# KiCad board IotFan.kicad_pcb (continued)
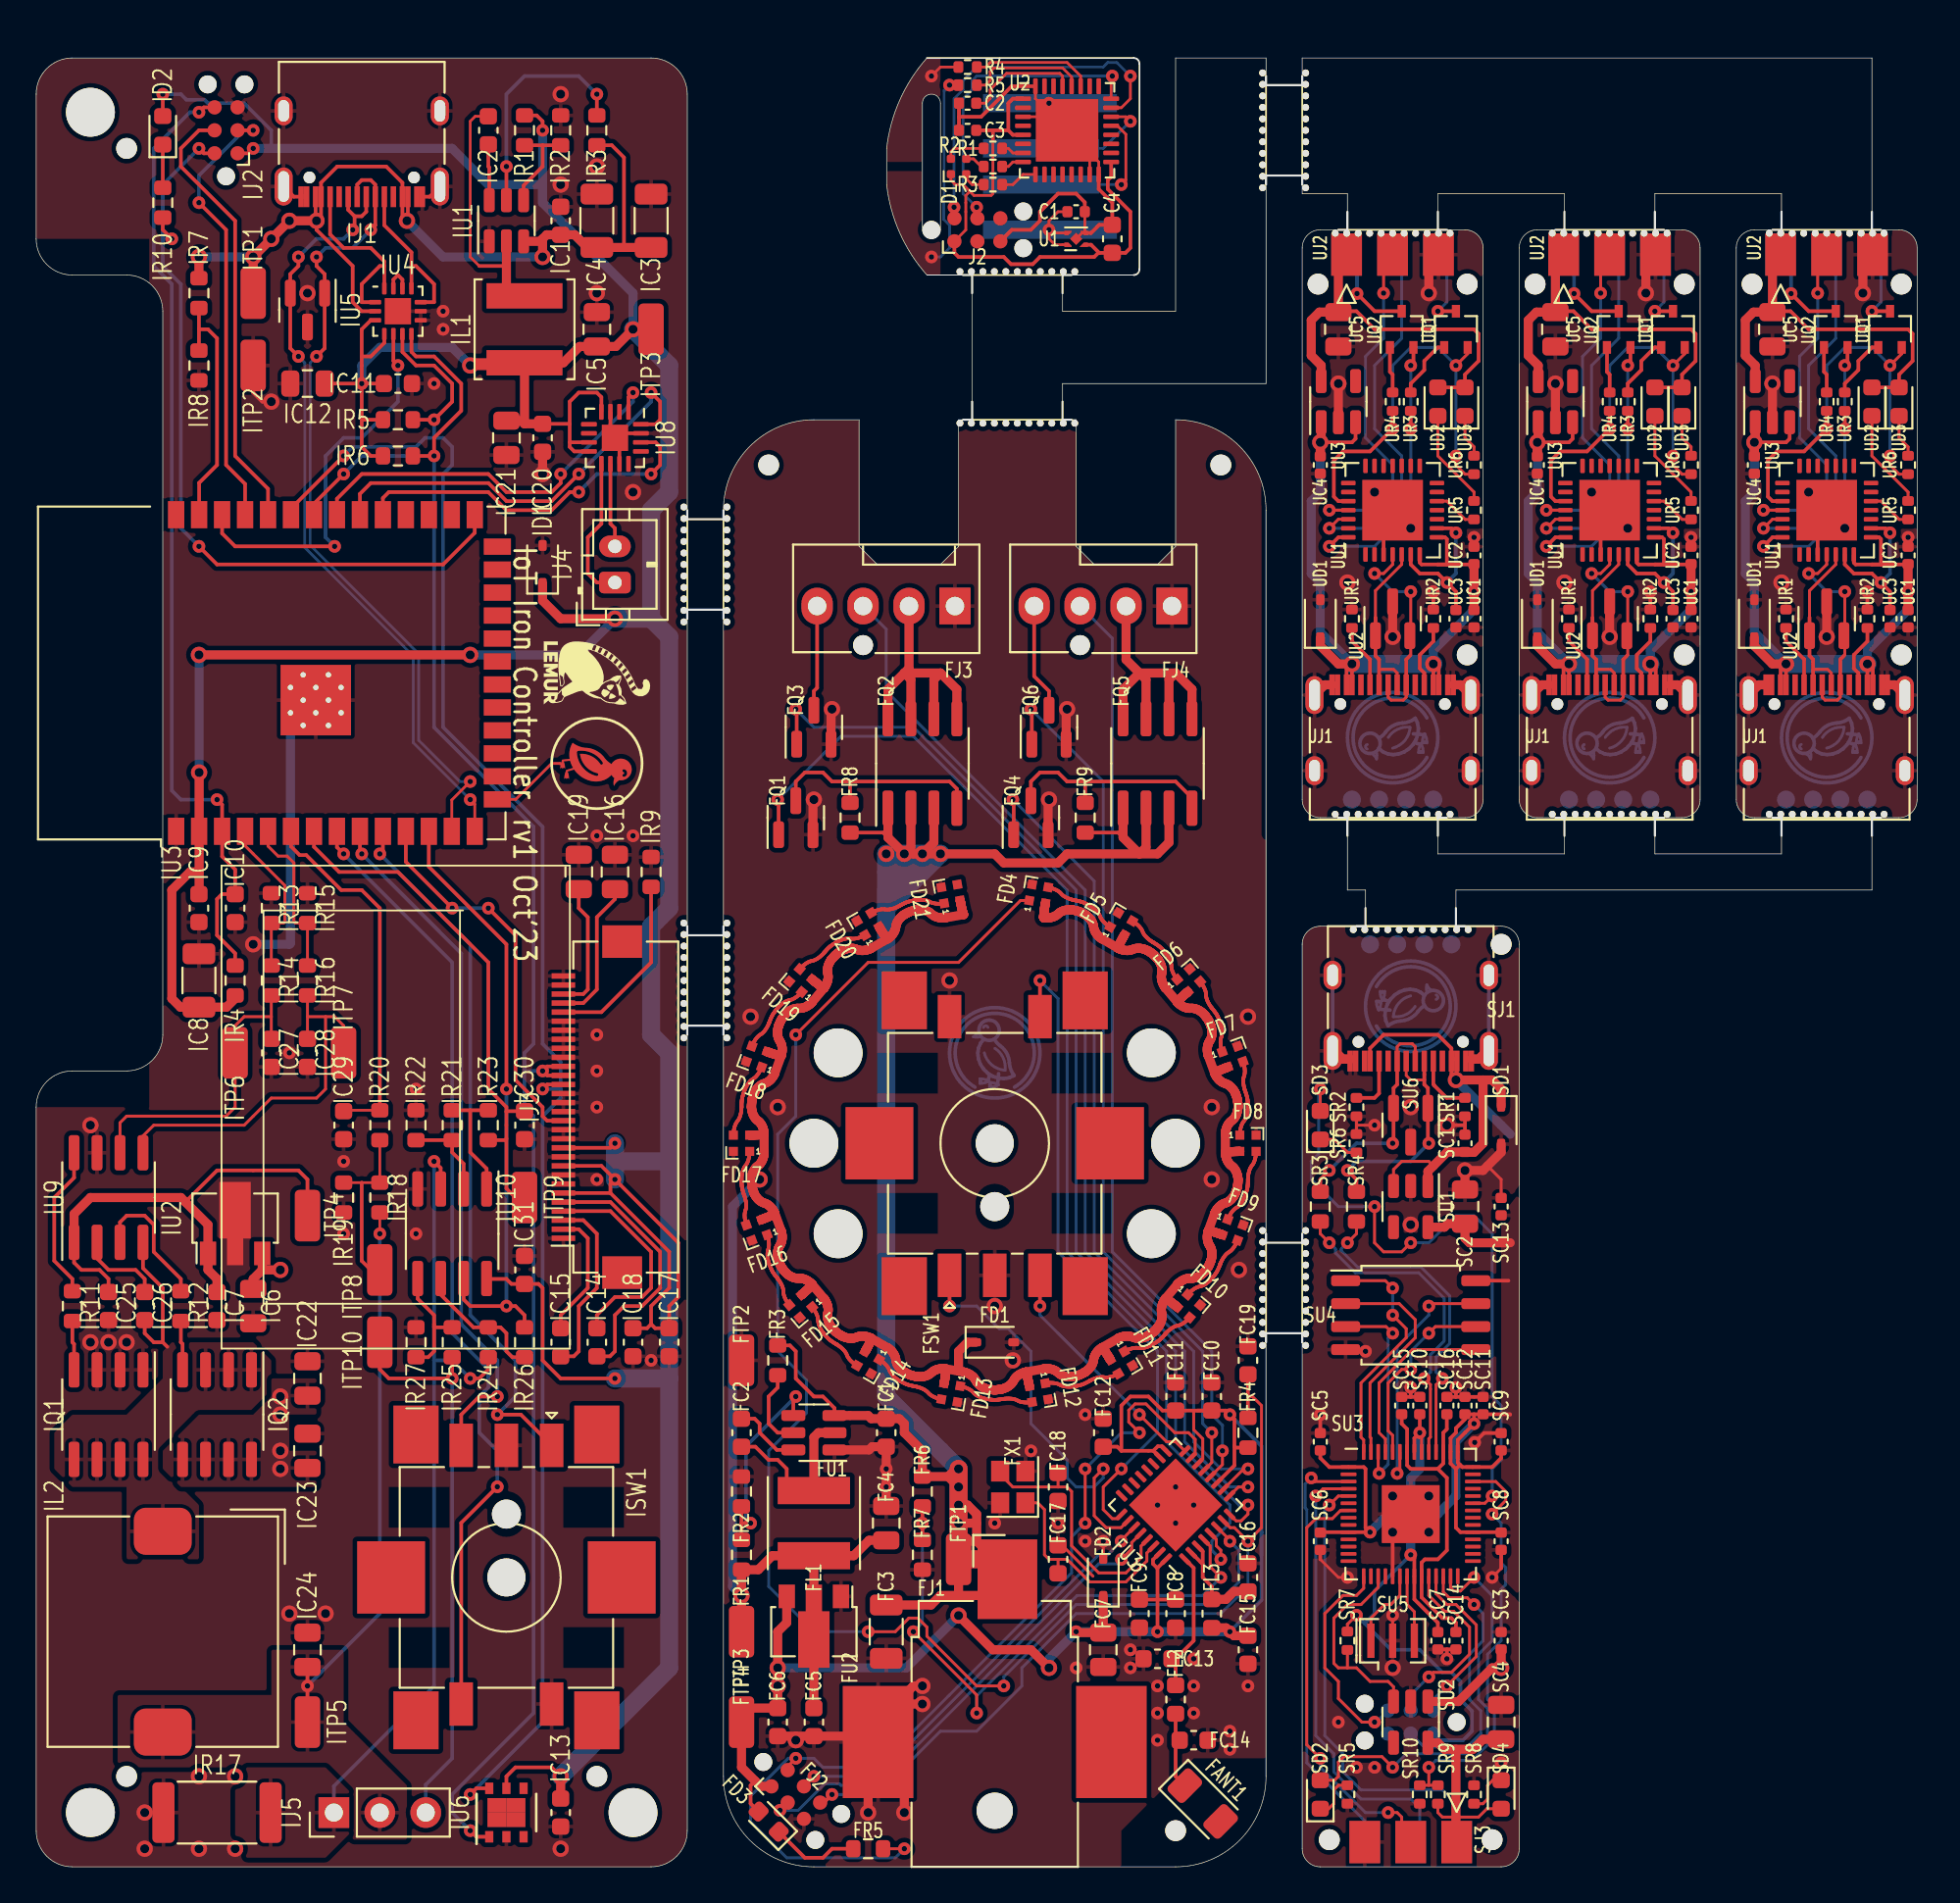
[diagram p0: board, top side]
## Routing (per net, layer and track width the routed paths; a pad name or vN(x,y) marks a point on that pad's centre or on a via; arc(x,y) is an arc through that point) (continued)
Sled_usb.res.a: length 2.3
  Front w0.16: SR6.1 72.51,39.49 71.79,40.21 SD3.1
Sled_usb.signal: length 36.6
  Front w0.16: v2(80.5,20.5) 80.1,20.1 SU3.37 ; v2(74,36.5) 74,34.5 74.5,34 75.5,34 v2(76,34.5) ; SD3.2 v2(71,43)
  Back w0.16: v2(74,36.5) 72,36.5 70.5,38 70.5,39 70.91,39.41 70.91,42.91 v2(71,43) ; v2(76,34.5) 77,34.5 78.5,36 79.5,36 80.5,35 80.5,26 81,25.5 81,22.5 80.5,22 v2(80.5,20.5)
Smcu.ic.qspi.miso: length 12.6
  Front w0.16: SU3.55 73.8,23.7 73.75,23.75 73.75,26.75 76.25,29.25 76.25,30.25 75.36,31.14 SU4.2
Smcu.ic.qspi.mosi: length 10.1
  Front w0.16: SU4.5 76.09,28.59 74.25,26.75 74.25,24 74.6,23.65 SU3.53
Smcu.ic.qspi.sck: length 10.6
  Front w0.16: SU4.6 77.36,29.86 v2(77,29.5) ; SU3.52 75,23.86 74.75,24.11 74.75,26.75 75.5,27.5 v2(76,27.5)
  Back w0.16: v2(76,27.5) 76,28.5 v2(77,29.5)
Smcu.ic.qspi_cs: length 13.2
  Front w0.16: SU4.1 74.59,32.41 v2(75,32) ; v2(75,30.5) 75.75,29.75 75.75,29.25 73.25,26.75 73.25,23.75 73.4,23.6 SU3.56
  Back w0.16: v2(75,32) v2(75,30.5)
Smcu.ic.qspi_sd2: length 12
  Front w0.16: SU4.3 74.64,29.86 v2(75,29.5) ; SU3.54 74.2,21.8 v2(74.25,21.75)
  Back w0.16: v2(75,29.5) 74.75,29.25 74.75,22.25 v2(74.25,21.75)
Smcu.ic.qspi_sd3: length 13.9
  Front w0.16: v2(75.25,21.75) 75.4,21.9 SU3.51 ; SU4.7 77.14,31.14 v2(77,31)
  Back w0.16: v2(75.25,21.75) 75.25,28.75 77,30.5 v2(77,31)
Smcu.ic.vreg_vout: length 19.3
  Front w0.2: SC15.1 75.5,24.5 75.8,24.2 SU3.50 75.8,22.2 76,22 77.5,22 ; 77.5,22 78,21.5 78,17.5 77.5,17 76.78,17 76.6,16.82 SU3.23 76.6,14.9 77.75,13.75 78.25,13.75 78.5,13.5 SC14.1 ; 77.5,22 77.8,22.3 SU3.45 77.8,24 78,24.2 78,25.02 SC16.1
Smcu.reset_node: length 15.2
  Front w0.16: SU3.26 77.8,15.2 78.12,14.88 79.12,14.88 v2(79.5,14.5)
  Back w0.16: SJ2.3 76.74,6.62 79.12,6.62 79.88,7.38 79.88,8.62 79.25,9.25 79.25,11.75 80,12.5 80,14 v2(79.5,14.5)
Smcu.swd.swo: length 11.9
  Front w0.16: v2(74,8) 73.3,8 72,9.3 72,10.25 71.25,11 71.25,14 72.25,15 73,15 73.4,15.4 SU3.15
  Back w0.16: SJ2.6 74.09,8 v2(74,8)
Smcu.swd_node.swclk: length 10.6
  Front w0.16: SU3.24 77,15 77.88,14.12 78.38,14.12 79.25,13.25 79.25,11.75 78.25,10.75 77.25,10.75 v2(77,10.5)
  Back w0.16: v2(77,10.5) 76,9.5 SJ2.4
Smcu.swd_node.swdio: length 9.6
  Front w0.16: v2(78,10) 79.62,11.62 79.62,13.38 78.5,14.5 78,14.5 77.4,15.1 SU3.25
  Back w0.16: v2(78,10) 77.27,9.27 SJ2.2
Smcu.usb_chain_0.d_N: length 18.2
  Front w0.16: v2(72.5,34.5) 73,35 SR4.1 ; SU3.46 77.4,26.65 v2(77.75,27)
  Back w0.16: v2(72.5,34.5) 72.16,34.16 72.16,34.06 73.06,33.16 76.56,33.16 78.16,31.56 78.16,28.94 77.41,28.19 77.41,27.34 v2(77.75,27)
Smcu.usb_chain_0.d_P: length 18.3
  Front w0.16: SR3.1 71,35 v2(71.5,34.5) ; SU3.47 77,23.67 77.09,23.76 77.09,26.66 v2(76.75,27)
  Back w0.16: v2(71.5,34.5) 71.84,34.16 71.84,33.94 72.94,32.84 76.44,32.84 77.84,31.44 77.84,29.06 77.09,28.31 77.09,27.34 v2(76.75,27)
Smcu.xtal_node.driver.xtal_in: length 4.4
  Front w0.16: SU5.1 73.8,13.75 74.55,14.5 74.9,14.5 75.4,15 SU3.20
Smcu.xtal_node.driver.xtal_out: length 3.7
  Front w0.16: SU5.3 76.2,14.1 75.8,14.5 SU3.21
Starget.reset: length 22.7
  Front w0.16: v2(74.75,3) 75.25,3 75.5,2.75 75.5,2 ; v2(71,6) 70.25,6.75 70.25,18.75 70.75,19.25 71.66,19.25 72.11,19.7 SU3.7
  Back w0.16: v2(74.75,3) 73.5,3 71,5.5 v2(71,6)
Starget.swo: length 23.8
  Front w0.16: v2(70.5,21.5) 70.7,21.3 SU3.3
  Back w0.16: SJ3.6 73.46,2.54 70.25,5.75 70.25,19.75 70.16,19.84 70.16,21.16 v2(70.5,21.5)
Starget_drv.swclk: length 24.5
  Front w0.16: v2(70.75,20.5) 71.15,20.9 SU3.4
  Back w0.16: 76.5,2 76.5,3.25 76,3.75 73.25,3.75 71.75,5.25 71.75,6.25 70.75,7.25 v2(70.75,20.5)
Starget_drv.swdio: length 25.7
  Front w0.16: SU3.5 72,20.5 v2(71.5,20)
  Back w0.16: v2(71.5,20) 71.25,19.75 71.25,7.25 72.25,6.25 72.25,5.25 73.25,4.25 77.75,4.25 78.54,3.46 SJ3.2
Starget_sense.output: length 23.1
  Front w0.16: SU3.40 80.7,21.3 81.25,20.75 81.25,20.25 v2(80.5,19.5) ; 77,4.51 v2(77,5.5) ; 77,4.51 SR9.2 ; 77,4.51 SR10.1
  Back w0.16: v2(80.5,19.5) 81,19 81,16.8 81.25,16.55 81.25,15.6 81,15.35 81,12.5 80.25,11.75 80.25,9.25 80.62,8.88 80.62,7.12 79.38,5.88 77.38,5.88 v2(77,5.5)
Susb.conn.A5: length 3.4
  Front w0.2: SJ1.A5 77.25,43.26 77.31,43.2 77.31,43.19 77.98,42.51 SR1.2
Susb.conn.B5: length 3.1
  Front w0.2: SR2.2 74,42.51 74.25,42.76 SJ1.B5
Susb_chain_0.d_N: length 14.4
  Front w0.15: SJ1.A7 75.75,43.75 76,43.5 76.75,43.5 ; 76.75,44.33 SJ1.B7
  Front w0.16: 76.75,44.33 76.75,43.8 ; 76.75,43.8 76.75,43.5 ; 76.75,43.8 76.75,43.5 ; 76.75,43.5 76.75,43.25
  Front w0.2: 76.75,44.33 76.75,43.25 76.95,43.05 SU6.1 76.95,40.05 v2(77,40) ; SR4.2 73,38 v2(72.5,38.5)
  Back w0.2: v2(72.5,38.5) 73,39 76,39 v2(77,40)
Susb_chain_0.d_P: length 12.8
  Front w0.16: 76.25,44.66 76.25,45.34 76.09,45.5 75.41,45.5 75.25,45.34 75.25,44.33
  Front w0.2: v2(71.5,38.5) 71,38 SR3.2 ; 75.25,44.33 75.25,43.25 75.05,43.05 SU6.2 75.05,40.05 v2(75,40)
  Back w0.2: v2(75,40) 73,40 v2(71.5,38.5)
Svtarget: length 13.9
  Front w0.16: SD4.2 80.21,3.21 79.75,2.75 77.75,2.75 77.5,3 SR9.1
  Front w0.5: SJ3.1 78.5,1.41 78.5,6.5 ; SC4.1 80,7.05 79.45,6.5 77.86,6.5 77.5,6.86 SU2.5
Svusb: length 34.1
  Front w0.16: 77.25,38.75 77,39 75.5,39 75.05,38.55 SU1.3
  Front w0.2: 78.55,44.33 78.55,43.5 78.25,43.8 78.25,44.66 78.55,44.66 ; SJ1.B9 78.25,45.25 77.5,46 74.5,46 73.75,45.25 SJ1.B4
  Front w0.5: SC3.1 v1(81,11) 80.5,11 78.64,9.14 SU2.1 ; 80,43.5 80,40 79.5,39.5 79.02,39.5 SC1.1 78.02,39.52 76.95,38.45 SU1.1 ; 80,43.5 v1(78.5,43.5) ; 80,43.5 80.5,43.5 81,43 SD1.1
  Back w0.5: 81.5,40.5 v1(78.5,43.5)
ts1.b: length 1.7
  Front w0.15: R4.2 50,99.5 v2(49.5,99)
ts1.io: length 6.7
  Front w0.15: R4.1 52.5,99.5 52.75,99.75 57,99.75 57.75,99 57.75,98.5
ts2.b: length 11
  Front w0.15: R5.2 v2(50.5,98.5)
  Back w0.15: v2(50.5,98.5) 50.2,98.2 50.2,92.4 50.17,92.38 50.17,91.08 50.5,90.75 50.5,89.5 50,89 v2(49.5,89)
ts2.io: length 6.6
  Front w0.15: R5.1 52.5,98.5 52.75,98.75 52.75,99.25 52.95,99.45 56.75,99.45 57.25,98.95 57.25,98.5
tss.io: length 6.3
  Front w0.15: 56.75,98.5 56.75,99 56.6,99.15 53.65,99.15 52.75,98.25 52.75,97.75 52.5,97.5 C2.1
Uauto.boot: length 16.2
  Front w0.2: v2(85.03,86.97) 86.01,86 UQ2#2.3 ; v2(97.03,86.97) 98.01,86 UQ2.3 ; v2(73.03,86.97) 74.01,86 UQ2#3.3
  Back w0.2: 84.46,89.23 84.52,89.23 85.03,88.72 v2(85.03,86.97) ; 72.45,89.23 72.52,89.23 73.03,88.72 v2(73.03,86.97) ; 96.46,89.23 96.52,89.23 97.03,88.72 v2(97.03,86.97)
Uauto.dtr_res.b: length 10.4
  Front w0.2: UQ1.1 89.5,84 88.75,83.25 88.75,82.75 88,82 UR3#3.2 ; UR3#2.2 100,82 100.75,82.75 100.75,83.25 101.5,84 UQ1#2.1 ; UR3.2 76,82 76.75,82.75 76.75,83.25 77.5,84 UQ1#3.1
Uauto.en: length 13.6
  Front w0.2: v2(101.5,86) UQ1#2.3 ; v2(77.5,86) UQ1#3.3 ; v2(89.5,86) UQ1.3
  Back w0.16: UJ2#3.6 90,88.66 90,86.5 v2(89.5,86) ; UJ2#2.6 102,88.66 102,86.5 v2(101.5,86) ; v2(77.5,86) 78,86.5 78,88.66 UJ2.6
Uauto.rts_res.b: length 7.7
  Front w0.2: UQ2.1 98.85,82.65 99,82.5 UR4#2.2 ; UR4.2 87,82.5 86.85,82.65 UQ2#2.1 ; UR4#3.2 75,82.5 74.85,82.65 UQ2#3.1
Ugnd: length 52.2
  Front w0.2: UU1#2.3 86.5,74.5 UU1#2.29 v1(86,76) v1(88,74) ; UU1#3.3 98.5,74.5 UU1#3.29 v1(98,76) v1(100,74) ; UR2#3.1 v2(101.25,70.5) ; UR2.1 v2(77.25,70.5) ; UR2#2.1 v2(89.25,70.5) ; UC2.2 v2(91.5,73.5) ; UC2#3.2 v2(103.5,73.5) ; v1(76,74) v1(74,76) UU1.29 74.5,74.5 UU1.3 ; UC2#2.2 v2(79.5,73.5)
  Front w0.5: UJ1#2.A12 90.75,65.34 UJ1#2.S1 ; UU2#3.3 v1(87,68) ; UJ1#3.S1 95.25,65.34 UJ1#3.A1 ; UU3.2 v1(84,82) ; UJ1.S1 71.25,65.34 UJ1.A1 ; UU3#2.2 v1(72,82) ; UJ1#3.S1 102.75,65.34 UJ1#3.A12 ; UJ2.5 77,88.59 v1(77,87) ; UJ1.A12 78.75,65.34 UJ1.S1 ; v1(89,87) 89,88.59 UJ2#3.5 ; UJ2#2.5 101,88.59 v1(101,87) ; UU3#3.2 v1(96,82) ; 71.9,83.95 UC5.2 ; UU2#2.3 v1(75,68) ; 95.9,83.95 UC5#3.2 ; 83.9,83.95 UC5#2.2 ; UU2.3 v1(99,68) ; UJ1#2.A1 83.25,65.34 UJ1#2.S1
  vias: v1(72.5,71) v1(84.5,71) v1(96.5,71)
Uled.res.a: length 16.6
  Front w0.16: UD2#2.1 89.5,78 91.5,76 UR5#2.1 ; UD2.1 77.5,78 79.5,76 UR5.1 ; UD2#3.1 101.5,78 103.5,76 UR5#3.1
Uled_en.res.a: length 7.2
  Front w0.16: UD3#2.1 103,79 103.5,78.5 UR6.1 ; UD3#3.1 91,79 91.5,78.5 UR6#3.1 ; UR6#2.1 79.5,78.5 79,79 UD3.1
usb.pwr: length 4.4
  Front w0.15: U1.3 56.17,90.33 v2(56,90.5) ; U1.4 56.33,89.67 56,90 56,91 56.5,91.5 C1.1
  Back w0.15: J1.1 v2(56,90.5)
usb.usb.dm: length 8.3
  Front w0.15: U2.21 59.75,96.25 59.77,96.27 60.25,95.78 60.25,93.25 v2(60,93)
  Back w0.15: v2(60,93) J1.2
usb.usb.dp: length 6.7
  Front w0.15: v2(60.5,96.5) 60.25,96.75 U2.22
  Back w0.15: v2(60.5,96.5) 59,95 J1.3
Uusb_chain_0.d_N: length 34.1
  Front w0.16: 75.25,65.67 75.25,66 75.05,66.2 74.25,66.2 74.25,66.5 ; 87.25,65.67 87.25,66 87.05,66.2 86.25,66.2 86.25,66.5 ; UU1#3.5 99.5,72 98.05,70.55 UU2.1 ; 86.25,66.5 86.25,65.67 ; 86.25,66.5 86.25,66.75 ; 74.25,66.5 74.25,66.75 ; 74.25,66.5 74.25,65.67 ; 98.25,66.5 98.25,66.2 99.05,66.2 99.25,66 99.25,65.67 ; 98.25,66.5 98.25,66.75 ; 98.25,66.5 98.25,65.67 ; UU1#2.5 87.5,72 86.05,70.55 UU2#3.1 ; UU1.5 75.5,72 74.05,70.55 UU2#2.1
  Front w0.2: 74.25,65.67 74.25,66.75 74.05,66.95 74.05,69.06 ; 98.05,69.06 98.05,66.95 98.25,66.75 98.25,65.67 ; 86.25,65.67 86.25,66.75 86.05,66.95 86.05,69.06
Uusb_chain_0.d_P: length 36.8
  Front w0.16: 99.95,66.95 100,67 v2(100,70.5) ; 75.75,65.67 75.75,64.66 75.59,64.5 74.91,64.5 74.75,64.66 74.75,65.67 ; v2(98,71.5) 98.5,71.5 99,72 UU1#3.4 ; 75.95,66.95 76,67 v2(76,70.5) ; 86.75,65.67 86.75,64.66 86.91,64.5 87.59,64.5 87.75,64.66 87.75,65.67 ; 99.75,65.67 99.75,64.66 99.59,64.5 98.91,64.5 98.75,64.66 98.75,65.67 ; v2(74,71.5) 74.5,71.5 75,72 UU1.4 ; 87.95,66.95 88,67 v2(88,70.5) ; v2(86,71.5) 86.5,71.5 87,72 UU1#2.4
  Front w0.2: 75.75,65.67 75.75,66.75 75.95,66.95 ; 99.95,66.95 99.75,66.75 99.75,65.67 ; 87.95,66.95 87.75,66.75 87.75,65.67
  Back w0.16: v2(98,71.5) 99,70.5 v2(100,70.5) ; v2(88,70.5) 87,70.5 v2(86,71.5) ; v2(74,71.5) 75,70.5 v2(76,70.5)
Uusb_uart.conn.A5: length 10.7
  Front w0.2: UR1#3.2 96.75,67.76 97.75,66.76 UJ1#3.A5 ; UR1.2 72.75,67.76 73.75,66.76 UJ1.A5 ; UJ1#2.A5 85.75,66.76 84.75,67.76 UR1#2.2
Uusb_uart.conn.B5: length 10.7
  Front w0.2: UJ1#2.B5 88.75,66 88.5,66.25 88.5,67 89.25,67.75 UR2#2.2 ; UR2.2 77.25,67.75 76.5,67 76.5,66.25 76.75,66 UJ1.B5 ; UJ1#3.B5 100.75,66 100.5,66.25 100.5,67 101.25,67.75 UR2#3.2
Uusbconv.dtr: length 49.9
  Front w0.2: v2(71.5,73) 72,73.5 UU1.28 ; v2(83.5,73) 84,73.5 UU1#2.28 ; v2(100,83) 100.15,83.15 UQ2.2 ; UQ2#2.2 88.15,83.15 v2(88,83) ; UQ2#3.2 76.15,83.15 v2(76,83) ; UR3#3.1 v2(88,79.5) ; v2(95.5,73) 96,73.5 UU1#3.28 ; UR3.1 v2(76,79.5) ; UR3#2.1 v2(100,79.5)
  Back w0.16: v2(71.5,73) 74,73 76,75 v2(76,79.5) v2(76,83) ; v2(83.5,73) 86,73 88,75 v2(88,79.5) v2(88,83) ; v2(100,83) v2(100,79.5) 100,75 98,73 v2(95.5,73)
Uusbconv.ic.vdd: length 26.4
  Front w0.2: UC3#3.1 78.5,70.5 v2(78,71) 77.5,71.5 76.5,71.5 76,72 UU1.6 ; UU1.9 78.25,74 v2(78.5,73.75) ; UU1#3.6 100,72 100.5,71.5 101.5,71.5 v2(102,71) 102.5,70.5 UC3#2.1 ; UU1#3.9 102.25,74 v2(102.5,73.75) ; UU1#2.9 90.25,74 v2(90.5,73.75) ; UU1#2.6 88,72 88.5,71.5 89.5,71.5 v2(90,71) 90.5,70.5 UC3.1
  Back w0.2: v2(102,71) 102.5,71.5 v2(102.5,73.75) ; v2(90.5,73.75) 90.5,71.5 v2(90,71) ; v2(78.5,73.75) 78.5,71.5 v2(78,71)
Uusbconv.rts: length 71
  Front w0.16: v2(90.5,83) 91.15,83.65 UQ1.2 ; v2(102.5,78) 102.5,77.5 103,76.99 UR6.2 ; v2(78.5,83) 79.15,83.65 UQ1#3.2 ; UR6#3.2 91,76.99 90.5,77.5 v2(90.5,78) ; v2(78.5,78) 78.5,77.5 79,76.99 UR6#2.2 ; v2(102.5,83) 103.15,83.65 UQ1#2.2
  Front w0.2: UU1.24 72,75.5 71.75,75.75 71.75,77.75 72.25,78.25 73.75,78.25 v2(75,79.5) UR4#3.1 ; UU1#3.24 96,75.5 95.75,75.75 95.75,77.75 96.25,78.25 97.75,78.25 v2(99,79.5) UR4#2.1 ; UR4.1 v2(87,79.5) 85.75,78.25 84.25,78.25 83.75,77.75 83.75,75.75 84,75.5 UU1#2.24
  Back w0.16: v2(90.5,78) v2(90.5,83) 89.5,84 88,84 87,83 v2(87,79.5) ; v2(78.5,78) v2(78.5,83) 77.5,84 76,84 75,83 v2(75,79.5) ; v2(99,79.5) 99,83 100,84 101.5,84 v2(102.5,83) v2(102.5,78)
Uusbconv.suspend: length 7.4
  Front w0.16: UU1#3.12 102,75.5 103.01,74.49 UR5#3.2 ; UR5#2.2 91.01,74.49 90,75.5 UU1#2.12 ; UR5.2 79.01,74.49 78,75.5 UU1.12
Uusbconv.uart.rx: length 54.7
  Front w0.16: v2(86.5,87) 86.5,88.25 ; UU1#2.25 v2(83.5,75) ; UU1.25 v2(71.5,75) ; UU1#3.25 v2(95.5,75) ; v2(98.5,87) 98.5,88.25 ; v2(74.5,87) 74.5,88.25
  Back w0.16: v2(95.5,75) 98,75 99,76 99,77.5 97.5,79 97.5,83.5 98.5,84.5 v2(98.5,87) ; v2(86.5,87) 86.5,84.5 85.5,83.5 85.5,79 87,77.5 87,76 86,75 v2(83.5,75) ; v2(71.5,75) 74,75 75,76 75,77.5 73.5,79 73.5,83.5 74.5,84.5 v2(74.5,87)
Uusbconv.uart.tx: length 62.9
  Front w0.16: UU1#2.26 84,74.5 v2(83.5,74) ; v2(71.5,74) 72,74.5 UU1.26 ; v2(95.5,74) 96,74.5 UU1#3.26
  Back w0.16: UJ2#3.4 87.5,88.62 87.5,84.5 86,83 86,79.5 87.5,78 87.5,75.5 86,74 v2(83.5,74) ; v2(95.5,74) 98,74 99.5,75.5 99.5,78 98,79.5 98,83 99.5,84.5 99.5,88.62 UJ2#2.4 ; v2(71.5,74) 74,74 75.5,75.5 75.5,78 74,79.5 74,83 75.5,84.5 75.5,88.62 UJ2.4
Uv3v3: length 65.1
  Front w0.2: UD2#2.2 UD3#3.2 91,82.5 91.75,83.25 91.75,84.75 91.5,85 86,85 85,86 84.05,86 UC5#2.1 ; UD2.2 UD3.2 79,82.5 79.75,83.25 79.75,84.75 79.5,85 74,85 73,86 72.05,86 UC5.1 ; UC5#3.1 96.05,86 97,86 98,85 103.5,85 103.75,84.75 103.75,83.25 103,82.5 UD3#2.2 UD2#3.2
  Front w0.5: UJ2#3.1 84,88.67 UC5#2.1 82.95,85.95 82.5,85.5 82.5,83.55 83.05,83 UU3.5 ; UJ2#2.1 96,88.67 UC5#3.1 94.95,85.95 94.5,85.5 94.5,83.55 95.05,83 UU3#3.5 ; UU3#2.5 71.05,83 70.5,83.55 70.5,85.5 70.95,85.95 UC5.1 72,88.67 UJ2.1
Uvusb: length 134.3
  Front w0.2: 95,78.5 95.25,78.75 96.75,78.75 96.95,78.95 UU3#3.3 ; UU1.7 76.5,72.1 76.6,72 77.5,72 ; UJ1.B4 v1(77.25,66.5) ; 84.75,65.67 84.75,66.2 84.45,66.5 84.45,65.67 ; UJ1#3.B4 v1(101.25,66.5) ; 72.75,65.67 72.75,66.2 72.45,66.5 72.45,65.67 ; 89.5,72 91.48,72 UC2.1 ; 89.5,72 88.6,72 88.5,72.1 UU1#2.7 ; 89.5,72 90.5,72 90,72 90,73.4 89.9,73.5 UU1#2.8 ; UC2#2.1 79.48,72 77.5,72 ; UU3.3 84.95,78.95 84.75,78.75 83.25,78.75 83,78.5 ; 89.25,66.32 89.43,66.5 89.55,66.38 89.55,65.67 ; 96.75,65.67 96.75,66.2 96.45,66.5 96.45,65.67 ; UU1.8 77.9,73.5 78,73.4 78,72 78.5,72 77.5,72 ; UU1#3.8 101.9,73.5 102,73.4 102,72 102.5,72 101.5,72 ; UU3#2.3 72.95,78.95 72.75,78.75 71.25,78.75 71,78.5 ; 77.25,66.32 77.43,66.5 77.55,66.38 77.55,65.67 ; UU1#3.7 100.5,72.1 100.6,72 101.5,72 ; 101.55,65.67 101.55,66.38 101.43,66.5 101.25,66.32 ; UC2#3.1 103.48,72 101.5,72 ; UJ1#2.B4 v1(89.25,66.5)
  Front w0.5: v1(71,78.75) 71,79 71.05,79.05 UU3#2.1 ; v1(71,78.75) UC4.1 v1(71,78.75) ; v1(84.75,66.5) 84,66.5 83,67.5 UD1.1 ; UD1#2.1 71,67.5 72,66.5 v1(72.75,66.5) ; UC2#3.1 UC1#2.1 ; v1(83,78.75) 83,79 83.05,79.05 UU3.1 ; v1(83,78.75) UC4#3.1 v1(83,78.75) ; v1(95,78.75) UC4#2.1 v1(95,78.75) ; v1(95,78.75) 95,79 95.05,79.05 UU3#3.1 ; UC2.1 UC1#3.1 ; UD1#3.1 95,67.5 96,66.5 v1(96.75,66.5) ; UC2#2.1 UC1.1
  Back w0.5: v1(71,78.75) 71,76 70.5,75.5 70.5,71.5 71,71 71,68.25 v1(72.75,66.5) ; v1(83,78.75) 83,76 82.5,75.5 82.5,71.5 83,71 83,68.25 v1(84.75,66.5) ; v2(103.5,70.5) 103.5,69.5 101.25,67.25 v1(101.25,66.5) ; v2(79.5,70.5) 79.5,69.5 77.25,67.25 v1(77.25,66.5) ; v2(91.5,70.5) 91.5,69.5 89.25,67.25 v1(89.25,66.5) ; v1(96.75,66.5) 95,68.25 95,71 94.5,71.5 94.5,75.5 95,76 v1(95,78.75)
  Back w1: v1(101.25,66.5) v1(96.75,66.5) ; v1(77.25,66.5) v1(72.75,66.5) ; v1(89.25,66.5) v1(84.75,66.5)

## Copper pours and planes (outline as drawn; the poured copper is in the pictures)
Sgnd on Front, Back: 69.5,-0.5 69.5,52.5 82.5,52.5 82.5,-0.5
Sv3v3 on Front: 83,38.5 81,36 81,16 83,14
Fgnd on Front, Back: 69,-1 37,-1 37,81 69,81
Iconv.sw.out on Front: 12,25 13,26 13,28 12,29 7.5,29 7,28.5 7,27 5,25 2,25 1,24 1,22 2,21 5,21 5,17 9,17 9,20 7,22 7,23 9,25
Iconv_out on Front: 4.5,5.5 4.5,9.5 13,9.5 13,12 17,12 17,8 20.5,4.5 20.5,1.5 17.5,1.5 17.5,4 16,5.5
Ignd on Front, Back: -1,-1 -1,101 37,101 37,-1
Iisense.pwr_out on Front: 17.5,4 17.5,2 16,0.5 11,0.5 11,5.5 16,5.5
Ivusb on Front: 15.5,23 14,23 14,25 15.5,25 15.5,27 13,27 13,26 12,25 9,25 7,23 7,22 8,21 15.5,21
Ivusb on Back: 16,91 11,91 7,87 7,21 15,21 15,33 12.5,35.5 12.5,85.5 16,89
Svusb on Back: 83,43.5 81,41 81,11 83,9
ts1.b on Front, Back: 50,94.25 46.75,94.25 46.75,100.25 50,100.25
ts2.b on Front, Back: 50,87.75 46.75,87.75 46.75,93.75 50,93.75
Ugnd on Front, Back: 94,94 94,57 80,57 80,94
Ugnd on Front, Back: 106,94 106,57 92,57 92,94
Ugnd on Front, Back: 82,94 82,57 68,57 68,94

## Text on the board
B.Silkscreen: PicoProbe / Oct '23 | EDG IoT Fan / Oct 23 / rv2 | CP2102 / ESP32 Pgm / Oct '23 | r1
F.Silkscreen: IoT Iron Controller | rv1 Oct'23
